# Altium PCB ai.PcbDoc (part 2 of 2)
Units mil, origin at the board's own origin, x right, y up, seen from the top; angles counter-clockwise.
Board outline 4965.93 x 2367.42 mil, 2 copper layers (Top Layer, Bottom Layer); 124 components, 111 nets, 499 pads, 173 vias.
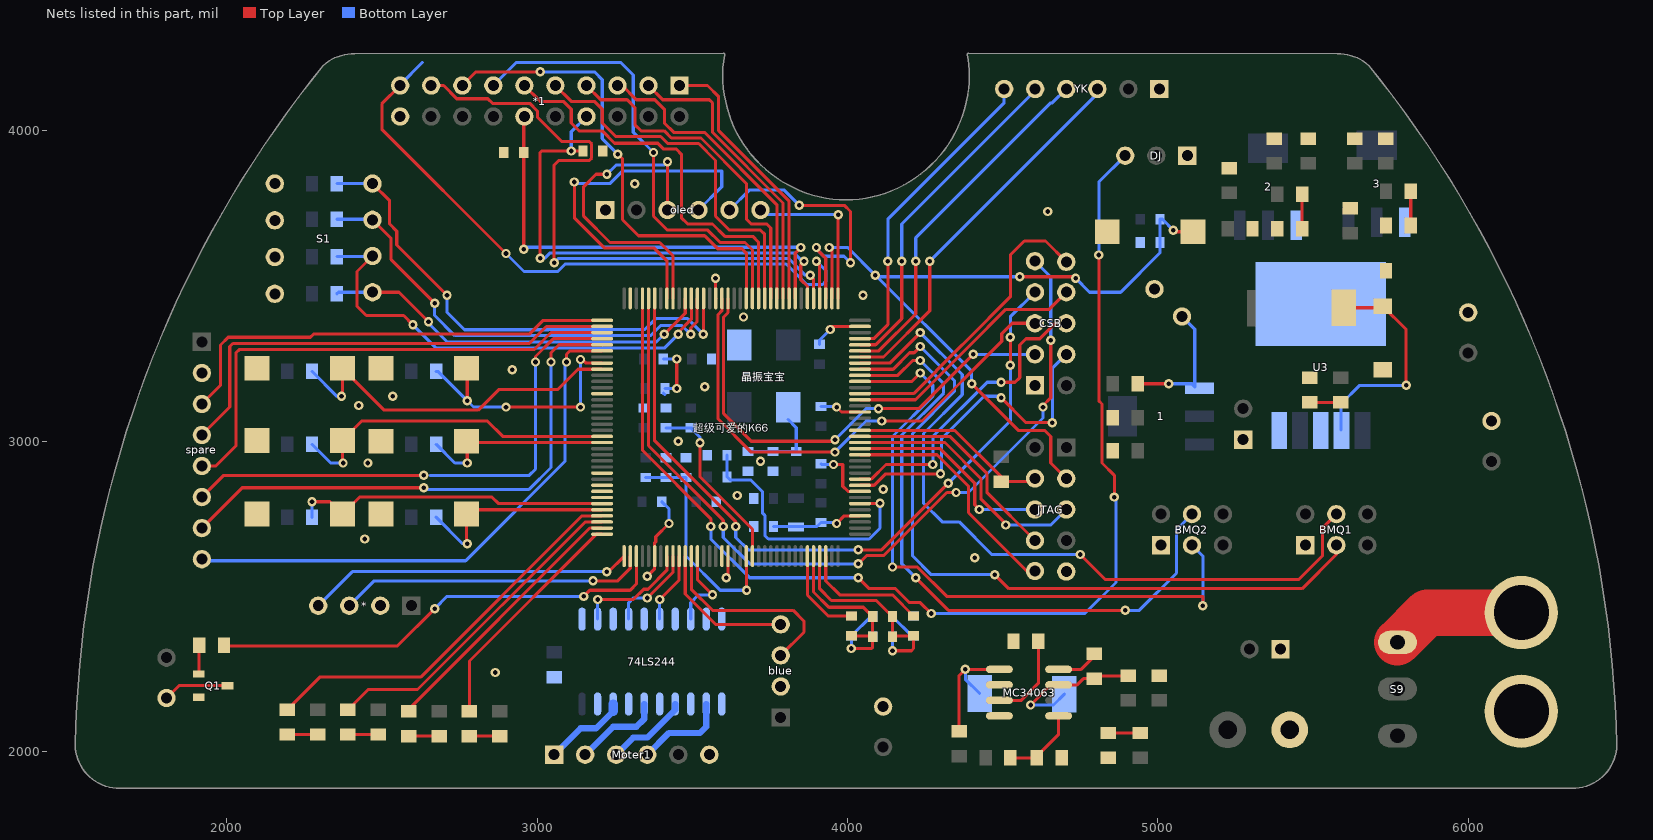
[diagram p2: the nets of this part, all layers, seen from the top]

## Via types
v1: diameter 30, hole 15, Top Layer to Bottom Layer, 166 vias
v2: diameter 125.98, hole 118.11, Top Layer to Bottom Layer, 7 vias

## Nets (pads, with @x,y where several pads share a name; then routed paths per layer and width w, separated by ;. In a path a pad name is that pad's centre, name@x,y a point inside that pad or via, vN(x,y) a via of type N, cw(c..) or ccw(c..) an arc to the next point about the centre after c; other vN are vias at no path point) (continued)
GND: 0.1IF.2 0.1UF.1@3055,2240 0.1UF.1@3402,2805 0.1UF.1@3415,2947 0.1UF.1@3415,3107 0.1UF.1@3548,2955 0.1UF.1@3577,2805 0.1UF.1@3760,2903 0.1UF.1@4855,2970 0.1UF.1@4943,3640 0.1UF.1@5305,3685 0.1UF.1@5620,3750 0.1UF.2@3345,3107 0.1UF.2@3407,3265 0.1UF.2@3412,3170 0.1UF.2@3910,3312 0.1UF.2@3915,2927 0.1UF.2@3915,3112 0.1UF.2@5375,3975 0.1UF.2@5635,3975 2.1 2.2UF.1 3.1 5V.1 7V2.1 10K.2@5385,3685 10K.2@5490,3205 10K.2@5735,3695 10UF.1@3680,2903 10UF.1@4855,3075 10UF.1@5230,3880 10UF.1@5485,3975 10UF.1@5735,3550 10UF.1@5735,3975 10UF.2@5005,2245 18PF.1 74LS244.1 74LS244.3 74LS244.5 74LS244.7 74LS244.9 74LS244.10 74LS244.11 74LS244.13 74LS244.15 74LS244.17 74LS244.19 100R.2 150R.1@2893,3930 150R.2@3212,3935 220UF.2 470PF.2 470UF.2 *1.11 *.2 blue.2 BMQ1.1 BMQ2.1 CSB.1 D8.2 DJ.1 JTAG.5 L3.1 LED.2@4840,1980 MC34063.2 MC34063.4 Moter1.6 Motor.2 oled.1 POWER.2 PTC11.1 PTC12.1 PTD1.1 PTD2.1 PTD10.1 PTD11.1 Q1.1 R33.1 RESET.1 S1.1 S1.2 S1.3 S1.4 spare.2 U3.3 U3.5 U3.6 YK.1 晶振宝宝.2 超级可爱的K66.6 超级可爱的K66.17 超级可爱的K66.18 超级可爱的K66.44 超级可爱的K66.57 超级可爱的K66.71 超级可爱的K66.93 超级可爱的K66.107 超级可爱的K66.121 超级可爱的K66.134 | length 1102.1
  Top Layer w10: v1(3355,2565) 3378.94,2588.94 超级可爱的K66.6@3378.94,2629.65 3378.94,2672.91 3382.25,2676.22 3382.25,2692.25 v1(3425,2735) ; v1(3450,3170) v1(3450,3265) ; v1(3575,3525) 3575,3461.14 超级可爱的K66.93@3575.79,3460.35 ; v1(3610,2560) 3615.16,2565.16 超级可爱的K66.18@3615.16,2629.65 ; v1@3940,3365 3945,3370 3945.2,3369.8 超级可爱的K66.71@4040.35,3369.8 ; v1(3955,2925) 3985,2925 3985,2855 4001.69,2838.31 超级可爱的K66.44@4040.35,2838.31 ; v1(3965,3110) 3980.79,3094.21 超级可爱的K66.57@4040.35,3094.21
  Bottom Layer w10: 0.1UF.1@3402,2805 3425,2782 v1(3425,2735) ; 0.1UF.2@3407,3155 3412,3150 ; 0.1UF.2@3407,3265 v1(3450,3265) ; 0.1UF.2@3412,3170 v1(3450,3170) ; 0.1UF.2@3910,3312 3910,3325 3940,3355 v1@3940,3365 ; 0.1UF.2@3915,2927 3917,2925 v1(3955,2925) ; 0.1UF.2@3915,3112 3963,3112 v1(3965,3110)
  other v1: 2865,2255 4410,2625 2445,2685 3645,2825 4115,2845 2455,2930 3720,2935 3455,3000 2425,3115 2535,3145 3540,3175 2920,3230 3945,3360 3665,3400 4050,3470 4645,3740 3315,3830
"MOTOR1 IN1": 74LS244.18 Moter1.1 | length 271.2
  Bottom Layer w20: Moter1.1@3055,1990 3140,2075 3190,2075 74LS244.18@3245,2130
  Bottom Layer w30: 74LS244.18@3245,2130 74LS244.18@3245,2153.19
"MOTOR1 IN2": 74LS244.16 Moter1.2 | length 285.8
  Bottom Layer w20: Moter1.2@3155,1990 3245,2080 3320,2080 3345,2105 74LS244.16@3345,2153.19
"MOTOR1 IN3": 74LS244.14 Moter1.3 | length 268.3
  Bottom Layer w20: Moter1.3@3255,1990 3310,2045 3355,2045 3445,2135 74LS244.14@3445,2153.19
"MOTOR1 IN4": 74LS244.12 Moter1.4 | length 300.5
  Bottom Layer w20: Moter1.4@3355,1990 3425,2060 3525,2060 3545,2080 74LS244.12@3545,2153.19
Net1_1: 1.1 120R.1 R33.2 | length 431.4
  Top Layer w10: 120R.1@4935,3185 v1(5035,3185)
  Bottom Layer w10: v1(5035,3185) 5109.57,3185 5119.02,3175.55 5119.02,3360.98 R33.2@5078,3402
Net*2_21: 0.1UF.2@3415,2883 0R.2@3350,2883 2.2UF.2 超级可爱的K66.21 | length 733.5
  Top Layer w10: 超级可爱的K66.21@3674.21,2629.65 3674.21,2564.21 3675,2563.42 v1(3675,2520)
  Bottom Layer w10: 0R.2@3350,2883 0.1UF.2@3415,2883 2.2UF.2@3480,2883 3480,2630 3590,2520 v1(3675,2520)
Net*2_22: 0.1UF.2@3415,3043 0R.2@3495,3043 超级可爱的K66.22 | length 575.7
  Top Layer w10: v1(3525,2995) 3525,2885 3693.9,2716.1 超级可爱的K66.22@3693.9,2629.65
  Bottom Layer w10: 0.1UF.2@3415,3043 0R.2@3495,3043 3525,3013 v1(3525,2995)
Net*2_31: 0R.2@4013,2437 超级可爱的K66.31 | length 295.4
  Top Layer w10: 超级可爱的K66.31@3871.06,2629.65 3871.06,2503.94 3938,2437 0R.2@4013,2437
Net*2_32: 0.01UF.2 0.1UF.2@4081,2370 0R.1@4013,2373 L2.2 超级可爱的K66.32 | length 778.6
  Top Layer w10: 超级可爱的K66.32@3890.75,2629.65 3890.75,2514.25 3940,2465 4051,2465 0.01UF.2@4081,2435 0.1UF.2@4081,2370 ; v1(4012,2332) 4078,2332 4081,2335 0.1UF.2@4081,2370 ; 0R.1@4013,2373 4078,2373 0.1UF.2@4081,2370
  Bottom Layer w10: v1(4012,2332) 4013,2332 L2.2@4013,2373 4075,2435 0.01UF.2@4081,2435 0.1UF.2@4081,2370
Net*2_33: 0.01UF.1 0.1UF.1@4145,2370 0R.1@4213,2373 L3.2 超级可爱的K66.33 | length 826.6
  Top Layer w10: 超级可爱的K66.33@3910.43,2629.65 3910.43,2524.57 3948,2487 4093,2487 0.01UF.1@4145,2435 0.1UF.1@4145,2370 4148,2373 0R.1@4213,2373 4213,2332 4206,2325 v1(4145,2325)
  Bottom Layer w10: v1(4145,2325) 0.1UF.1@4145,2370 0.01UF.1@4145,2435 4207,2373 L3.2@4213,2373
Net*2_34: 0R.2@4213,2437 超级可爱的K66.34 | length 409.4
  Top Layer w10: 超级可爱的K66.34@3930.12,2629.65 3930.12,2549.88 3975,2505 4145,2505 0R.2@4213,2437
Net*2_42: 0.1UF.2@3612,2955 0R.2@3612,2885 超级可爱的K66.42 | length 883.9
  Top Layer w10: 超级可爱的K66.42@4040.35,2798.94 4103.94,2798.94 v1(4105,2800)
  Bottom Layer w10: 0.1UF.2@3612,2955 0R.2@3612,2885 3622,2875 3688.88,2875 3726,2837.88 3726,2769 3734,2761 3734,2696 3745,2685 4070,2685 4105,2720 v1(4105,2800)
Net*3_4: 0.1UF.2@3760,2967 10UF.2@3680,2967 L1.2 晶振宝宝.4 | length 263.9
  Bottom Layer w10: 10UF.2@3685,2967 0.1UF.2@3760,2967 L1.2@3835,2967 3835,3043.74 晶振宝宝.4@3808.74,3070
Netbell1_2: bell1.2 Q1.3 | length 212.8
  Top Layer w10: bell1.2@1806.26,2172.6 1846.26,2212.6 Q1.3@2002.52,2212.6
NetC25_1: 470PF.1 MC34063.3 | length 283.3
  Top Layer w10: MC34063.3@4489.53,2165 4560,2165 4615,2220 470PF.1@4615,2355
NetCON1_1: POWER.1 S9.1 | length 438.8
  Top Layer w150: S9.1@5772,2352 5868,2448 POWER.1@6171,2448
NetD1_2: 10K.1@5815,3695 LED.2@5815,3805 | length 110
  Top Layer w10: 10K.1@5815,3695 LED.2@5815,3805
NetD2_2: 10K.1@2195,2055 PTD12.2 | length 97.9
  Top Layer w10: 10K.1@2195,2055 PTD12.2@2292.86,2055
NetD3_2: 10K.1@2390.71,2055 PTD13.2 | length 97.9
  Top Layer w10: 10K.1@2390.71,2055 PTD13.2@2488.57,2055
NetD4_2: 10K.1@2586.43,2050 PTD14.2 | length 97.9
  Top Layer w10: 10K.1@2586.43,2050 PTD14.2@2684.29,2050
NetD5_2: 10K.1@2782.14,2050 PTD15.2 | length 97.9
  Top Layer w10: 10K.1@2782.14,2050 PTD15.2@2880,2050
NetD6_1: D6.1 L4.2 MC34063.1 | length 414.9
  Top Layer w10: D6.1@4360,2065 4360,2245 v1(4380,2265) MC34063.1@4489.53,2265
  Bottom Layer w10: v1(4380,2265) 4380,2233 L4.2@4426,2187
NetD7_1: 10K.1@4944,2060 LED.1@4840,2060 | length 104
  Top Layer w10: LED.1@4840,2060 10K.1@4944,2060
NetD8_1: D8.1 L5.1 U3.2 | length 732.2
  Top Layer w10: L5.1@5599,3430 5720,3430 D8.1@5725,3435 5800,3360 v1(5800,3180)
  Bottom Layer w10: U3.2@5590,3036.77 5590,3120 5650,3180 v1(5800,3180)
NetD9_2: 10K.1@5465,3685 LED.2@5465,3795 | length 110
  Top Layer w10: 10K.1@5465,3685 LED.2@5465,3795
NetD10_2: 10K.1@5490,3125 LED.2@5590,3125 | length 100
  Top Layer w10: 10K.1@5490,3125 LED.2@5590,3125
NetL4_1: 0.1R.1 180R.2 L4.1 MC34063.7 | length 475
  Top Layer w10: v1(4590,2150) 4655,2215 MC34063.7@4680.47,2215 4740,2215 4760,2235 180R.2@4795,2235 4803,2243 0.1R.1@4903,2243
  Bottom Layer w10: v1(4590,2150) 4664,2150 L4.1@4699,2185
NetQ1_2: 1K.2@1911.26,2342.6 Q1.2 | length 93.1
  Top Layer w10: Q1.2@1910,2250 1911.26,2251.26 1K.2@1911.26,2342.6
NetR28_1: 180R.1 MC34063.8 | length 131.9
  Top Layer w10: MC34063.8@4680.47,2265 4753,2265 180R.1@4795,2307
NetR29_1: 1.3K.1 100R.1 MC34063.5 | length 254.3
  Top Layer w10: 1.3K.1@4517,1980 4605,1980 4680.47,2055.47 MC34063.5@4680.47,2115
PTA0: JTAG.6 超级可爱的K66.50 | length 768.5
  Top Layer w10: 超级可爱的K66.50@4040.35,2956.42 4288.58,2956.42 4390,2855 4390,2770 4578,2582 JTAG.6@4604,2582
PTA1: JTAG.8 超级可爱的K66.51 | length 685.9
  Top Layer w10: 超级可爱的K66.51@4040.35,2976.1 4298.9,2976.1 4410,2865 4410,2795 v1(4425,2780)
  Bottom Layer w10: v1(4425,2780) JTAG.8@4604,2780
PTA2: JTAG.3 超级可爱的K66.52 | length 836.5
  Top Layer w10: 超级可爱的K66.52@4040.35,2995.79 4314.21,2995.79 4430,2880 4430,2814.6 4510,2734.6 v1(4510,2730)
  Bottom Layer w10: v1(4510,2730) 4655,2730 JTAG.3@4705,2780
PTA3: JTAG.7 超级可爱的K66.53 | length 738.3
  Top Layer w10: 超级可爱的K66.53@4040.35,3015.47 4329.53,3015.47 4450,2895 4450,2834 JTAG.7@4604,2680
PTA4: 10K.1@4495,2870 JTAG.9 超级可爱的K66.54 | length 645
  Top Layer w10: 超级可爱的K66.54@4040.35,3035.16 4344.84,3035.16 4495,2885 10K.1@4495,2870 4594,2870 JTAG.9@4604,2880
PTA7: CSB.7 超级可爱的K66.59 | length 808.2
  Top Layer w10: 超级可爱的K66.59@4040.35,3133.58 4218.58,3133.58 4220.27,3135.27 4220.72,3135.27 4377,3291.54 4377,3291.6 4393.4,3308 4393.46,3308 4510.46,3425 4650,3425 CSB.7@4705,3480
PTA8: CSB.6 超级可爱的K66.60 | length 975.2
  Top Layer w10: 超级可爱的K66.60@4040.35,3153.27 4213.27,3153.27 4359,3299 4359,3299.05 4385.95,3326 4386,3326 4525,3465 4525,3600 4570,3645 4638,3645 CSB.6@4705,3578
PTA10: BMQ2.3 超级可爱的K66.62 | length 2177.1
  Top Layer w10: 超级可爱的K66.62@4040.35,3192.64 4207.64,3192.64 v1(4235,3220) ; v1@4145,2600 4150,2595 4225,2595 4320,2500 5145,2500 v1(5145,2470)
  Bottom Layer w10: v1@4145,2600 4145,3015.46 4274.77,3145.23 4274.77,3180.23 v1(4235,3220) ; BMQ2.3@5110,2665 5145,2630 v1(5145,2470)
  other v1: 4145,2595
PTA11: BMQ2.4 超级可爱的K66.63 | length 2181
  Top Layer w10: 超级可爱的K66.63@4040.35,3212.32 4162.32,3212.32 4210,3260 v1(4235,3260) ; v1(4220,2560) 4325,2455 v1(4895,2455)
  Bottom Layer w10: v1(4235,3260) 4310,3185 4310,3155 4175,3020 4175,2605 v1(4220,2560) ; v1(4895,2455) 4940,2455 5060,2575 5060,2715 BMQ2.4@5110,2765 ; v1(4220,2560) 4220,2555 4225,2555 v1(4220,2560)
PTA12: BMQ1.3 超级可爱的K66.64 | length 2485.4
  Top Layer w10: 超级可爱的K66.64@4040.35,3232.01 4147.01,3232.01 4200,3285 4215,3285 v1(4235,3305) ; v1(4475,2570) 4520,2525 5465,2525 5575,2635 BMQ1.3@5575,2665
  Bottom Layer w10: v1(4235,3305) 4345,3195 4345,3160 4210,3025 4210,2630 4270,2570 v1(4475,2570)
PTA13: BMQ1.4 超级可爱的K66.65 | length 2464.2
  Top Layer w10: 超级可爱的K66.65@4040.35,3251.69 4136.69,3251.69 v1(4235,3350) ; v1(4750,2635) 4830,2555 5455,2555 5530,2630 5530,2720 BMQ1.4@5575,2765
  Bottom Layer w10: v1(4235,3350) 4370,3215 4370,3150 4245,3025 4245,2800 4305,2740 4360,2740 4465,2635 v1(4750,2635)
PTA14: YK.3 超级可爱的K66.66 | length 1224.9
  Top Layer w10: 超级可爱的K66.66@4040.35,3271.38 4116.38,3271.38 4265,3420 v1(4265,3580)
  Bottom Layer w10: v1(4265,3580) 4805,4120 YK.3@4805,4135
PTA15: YK.4 超级可爱的K66.67 | length 1157.7
  Top Layer w10: 超级可爱的K66.67@4040.35,3291.06 4101.06,3291.06 4220,3410 v1(4220,3580)
  Bottom Layer w10: v1(4220,3580) 4220,3655 4655,4090 4660,4090 YK.4@4705,4135
PTA16: YK.5 超级可爱的K66.68 | length 1087.7
  Top Layer w10: 超级可爱的K66.68@4040.35,3310.75 4090.75,3310.75 4175,3395 v1(4175,3580)
  Bottom Layer w10: v1(4175,3580) 4175,3700 4605,4130 YK.5@4605,4135
PTA17: YK.6 超级可爱的K66.69 | length 1023.2
  Top Layer w10: 超级可爱的K66.69@4040.35,3330.43 4084.98,3330.43 4130,3375.46 v1(4130,3580)
  Bottom Layer w10: v1(4130,3580) 4130,3715 4505,4090 YK.6@4505,4135
PTA19: oled.6 超级可爱的K66.73 | length 541.1
  Top Layer w10: oled.6@3720,3745 oled.6@3735,3730 ; 超级可爱的K66.73@3969.49,3460.35 3970,3460.87 v1(3970,3730)
  Bottom Layer w10: oled.6@3720,3730 v1(3970,3730)
PTA24: oled.5 超级可爱的K66.75 | length 911.7
  Top Layer w10: v1(3845,3760) 3990,3760 4010,3740 v1(4010,3575) ; v1@3900,3620 3930.12,3589.88 超级可爱的K66.75@3930.12,3460.35
  Bottom Layer w10: oled.5@3620,3745 3685,3810 3795,3810 v1(3845,3760) ; v1@3900,3620 3924,3596 3989,3596 v1(4010,3575)
  other v1: 3900,3624
PTA25: *1.10 超级可爱的K66.76 | length 2131.4
  Top Layer w10: *1.10@2559,4146 2500,4087 2500,4005 v1(2900,3605) ; v1(3900,3580) 3910,3570 3910,3550 3910.43,3549.57 超级可爱的K66.76@3910.43,3460.35
  Bottom Layer w10: *1.10@2559,4146 2559,4149 2630,4220 ; v1(2900,3605) 2958,3547 3066.6,3547 3090.6,3571 3802.54,3571 3868.54,3505 3920,3505 3930,3515 3930,3550 v1(3900,3580)
PTA26: *1.9 超级可爱的K66.77 | length 2030
  Top Layer w10: *1.9@2659,4146 2698.86,4146 2741.38,4103.47 2841.53,4103.47 2856.47,4088.53 2976.62,4088.53 3001.53,4063.62 3001.53,4043.33 3079.36,3965.5 3168.38,3965.5 3176,3957.88 3176,3912.12 3168.38,3904.5 3069.5,3904.5 3055,3890 v1(3055,3575) ; v1(3880,3535) 3890.75,3524.25 超级可爱的K66.77@3890.75,3460.35
  Bottom Layer w10: v1(3055,3575) 3056,3575 3070,3589 3810,3589 3864,3535 v1(3880,3535)
PTA27: 150R.1@3148,3935 *1.17 超级可爱的K66.78 | length 1612.4
  Top Layer w10: v1(3010,3590) 3010,3930 3015,3935 v1(3110,3935) 150R.1@3148,3935 ; v1(3860,3580) 3849.69,3569.69 3849.69,3520.31 3871.06,3498.94 超级可爱的K66.78@3871.06,3460.35
  Bottom Layer w10: v1(3010,3590) 3025,3590 3042,3607 3827.4,3607 3854.4,3580 v1(3860,3580) ; v1(3110,3935) 3110,3997 *1.17@3159,4046
PTA29: 150R.2@2957,3930 *1.15 超级可爱的K66.80 | length 1501.4
  Top Layer w10: v1(2957,3618) 150R.2@2957,3930 ; *1.15@2959,4046 2957,4044 150R.2@2957,3930 ; 150R.2@2960,3927 150R.2@2957,3930 ; 超级可爱的K66.80@3831.69,3460.35 3831.69,3605.69 v1(3850,3624) ; v1@3849.51,3624.38 v1@3850,3625
  Bottom Layer w10: v1(2957,3618) 2964,3625 3849,3625 v1(3850,3624)
PTB0: *1.1 超级可爱的K66.81 | length 884.6
  Top Layer w10: *1.1@3459,4146 3549,4146 3585,4110 3585,4000.46 3810.32,3775.13 3810.32,3774.68 3812.01,3772.99 超级可爱的K66.81@3812.01,3460.35
PTB1: *1.2 超级可爱的K66.82 | length 953
  Top Layer w10: *1.2@3359,4146 3405,4100 3555,4100 3565,4090 3565,3995 3792.32,3767.68 超级可爱的K66.82@3792.32,3460.35
PTB2: *1.3 超级可爱的K66.83 | length 1000.4
  Top Layer w10: *1.3@3259,4146 3274,4146 3320,4100 3379.54,4100 3410,4069.54 3410,4025 3440,3995 3539.54,3995 3772.64,3761.91 超级可爱的K66.83@3772.64,3460.35
PTB3: *1.4 超级可爱的K66.84 | length 1110.3
  Top Layer w10: *1.4@3159,4146 3205,4100 3290,4100 3315,4075 3315,4020 3335,4000 3409.54,4000 3432.54,3977 3528,3977 3675,3830 3675,3715 3690,3700 3740,3700 3752.95,3687.05 超级可爱的K66.84@3752.95,3460.35
PTB4: *1.5 超级可爱的K66.85 | length 1210.4
  Top Layer w10: *1.5@3059,4146 3110,4095 3184.54,4095 3210,4069.54 3210,4025 3253,3982 3398,3982 3421,3959 3520.54,3959 3575,3904.54 3575,3725 3620,3680 3720,3680 3733.27,3666.73 超级可爱的K66.85@3733.27,3460.35
PTB5: *1.6 超级可爱的K66.86 | length 1290.8
  Top Layer w10: *1.6@2959,4146 3010,4095 3084.54,4095 3110,4069.54 3110,4025 3135.23,3999.77 3209.77,3999.77 3249.54,3960 3389,3960 3408,3941 3449,3941 3465,3925 3465,3720 3485,3700 3565,3700 3605,3660 3695,3660 3713.58,3641.42 超级可爱的K66.86@3713.58,3460.35
PTB6: *1.7 超级可爱的K66.87 | length 1499.9
  Top Layer w10: v1(3375,3930) 3375,3725 3420,3680 3550,3680 3590,3640 3670,3640 3693.9,3616.1 超级可爱的K66.87@3693.9,3460.35
  Bottom Layer w10: *1.7@2859,4146 2933,4220 3270,4220 3310,4180 3310,3995 v1(3375,3930)
PTB7: *1.8 超级可爱的K66.88 | length 1547
  Top Layer w10: *1.8@2759,4146 2803,4190 v1(3010,4190) ; v1(3260,3925) 3275,3910 3275,3714 3327,3662 3540,3662 3582,3620 3660,3620 3674.21,3605.79 超级可爱的K66.88@3674.21,3460.35
  Bottom Layer w10: v1(3010,4190) 3185,4190 3210,4165 3210,3975 v1(3260,3925)
PTB10: CSB.2 超级可爱的K66.91 | length 1533.1
  Top Layer w10: 超级可爱的K66.91@3615.16,3460.35 3615.16,3414.16 3601,3400 3601,3089 3690,3000 3955,3000 v1(3960,3005) ; v1(4100,3105) 4230,3105 v1(4405,3280)
  Bottom Layer w10: v1(3960,3005) 4060,3105 v1(4100,3105) ; v1(4405,3280) CSB.2@4604,3280
PTB11: CSB.3 超级可爱的K66.92 | length 1647.2
  Top Layer w10: 超级可爱的K66.92@3595.47,3460.35 3595.47,3420.47 3583,3408 3583,3072 3690,2965 v1@3955,2965 ; v1(4110,3065) 4240,3065 4497,3322 4497,3346.6 4530.4,3380 CSB.3@4604,3380
  Bottom Layer w10: v1(3960,2965) v1@3962.5,2967.5 ; v1@3960,2970 v1@3962.5,2967.5 ; v1@3965,2965 v1@3962.5,2967.5 ; v1(4110,3065) 4060,3065 v1@3962.5,2967.5
PTB16: 1K.1@2355,3830 S1.8 超级可爱的K66.95 | length 1629.2
  Top Layer w10: S1.8@2470,3830 2525,3775 2525,3700 2548,3677 2548,3632 v1(2710,3470) ; v1(3535,3345) 3536.42,3346.42 超级可爱的K66.95@3536.42,3460.35
  Bottom Layer w10: 1K.1@2355,3830 S1.8@2470,3830 ; v1(2710,3470) 2710,3415 2765.99,3359.01 3036.01,3359.01 3037,3360 3347,3360 3382,3395 3485,3395 v1(3535,3345)
PTB17: 1K.1@2355,3715 S1.7 超级可爱的K66.96 | length 1508.4
  Top Layer w10: S1.7@2470,3713.33 2530,3653.33 2530,3585 v1(2670,3445) ; v1(3495,3345) 3495,3365 3515.56,3385.56 3515.56,3459.18 超级可爱的K66.96@3516.73,3460.35
  Bottom Layer w10: 1K.1@2355,3715 2468.33,3715 S1.7@2470,3713.33 ; v1(2670,3445) 2670,3405 2735,3340 3365.4,3340 3398.4,3373 3466.6,3373 3494.6,3345 v1(3495,3345)
PTB18: 1K.1@2355,3595 S1.6 超级可爱的K66.97 | length 1540.4
  Top Layer w10: S1.6@2470,3596.67 2420,3546.67 2420,3435 2450,3405 2570,3405 v1(2600,3375) ; v1(3455,3345) 3455,3350.46 3497.05,3392.5 超级可爱的K66.97@3497.05,3460.35
  Bottom Layer w10: 1K.1@2355,3595 2468.33,3595 S1.6@2470,3596.67 ; v1(2600,3375) 2675,3300 3410,3300 v1(3455,3345)
PTB19: 1K.2@2355,3475 S1.5 超级可爱的K66.98 | length 1279.9
  Top Layer w10: S1.5@2470,3480 2555,3480 v1(2650,3385) ; v1(3410,3345) 3477.36,3412.36 超级可爱的K66.98@3477.36,3460.35
  Bottom Layer w10: 1K.2@2355,3475 2360,3480 S1.5@2470,3480 ; v1(2650,3385) 2650,3380 2710,3320 3385,3320 v1(3410,3345)
PTB21: oled.3 超级可爱的K66.100 | length 1030.8
  Top Layer w10: v1(3225,3860) 3190,3860 3150,3820 3150,3725 3235,3640 3395,3640 3437.99,3597.01 超级可爱的K66.100@3437.99,3460.35 ; oled.3@3420,3745 v1(3420,3900)
  Bottom Layer w10: v1(3225,3860) 3255,3890 3410,3890 v1(3420,3900)
PTB22: oled.4 超级可爱的K66.101 | length 1241.6
  Top Layer w10: v1(3120,3835) 3120,3720 3218,3622 3378,3622 3418.31,3581.69 超级可爱的K66.101@3418.31,3460.35
  Bottom Layer w10: v1(3120,3835) 3125,3830 3234.6,3830 3274.6,3870 3595,3870 3595,3820 oled.4@3520,3745
PTC0: CSB.4 超级可爱的K66.103 | length 2416.8
  Top Layer w10: 超级可爱的K66.103@3378.94,3460.35 3378.94,3001.06 3640,2740 v1(3640,2725) ; v1(4035,2650) 4110,2650 v1(4325,2865) 4330,2870 v1@4330,2865 ; v1(4525,3245) v1(4525,3335)
  Bottom Layer w10: v1(3640,2725) 3640,2690 3680,2650 v1(4035,2650) v1@4040,2650 ; v1(4325,2865) 4525,3065 v1(4525,3245) ; v1(4525,3335) 4525,3401 CSB.4@4604,3480
PTC1: CSB.5 超级可爱的K66.104 | length 2666.4
  Top Layer w10: 超级可爱的K66.104@3359.25,3460.35 3359.25,2985.75 3600,2745 v1(3600,2725) ; v1(4035,2605) 4062,2632 4117.46,2632 4320.46,2835 v1(4350,2835) ; v1(4630,3110) 4630,3115 4655,3140 v1(4655,3325)
  Bottom Layer w10: v1(3600,2725) 3600,2690 3685,2605 v1(4035,2605) ; v1(4350,2835) 4390,2835 4630,3075 v1(4630,3110) ; CSB.5@4604,3580 4655,3529 v1(4655,3325)
PTC2: DJ.3 超级可爱的K66.105 | length 3745.5
  Top Layer w10: 超级可爱的K66.105@3339.57,3460.35 3339.57,2970.43 3560,2750 v1(3560,2725) ; v1(4035,2560) 4070,2525 4155,2525 4200,2480 4235,2480 v1(4270,2445) ; v1(4810,3600) 4810,3130 4820,3120 4820,2930 4860,2890 v1(4860,2820)
  Bottom Layer w10: v1(3560,2725) 3560,2685 3685,2560 v1(4035,2560) ; v1(4270,2445) 4765,2445 4865,2545 4865,2815 v1(4860,2820) ; v1(4810,3600) 4810,3835 DJ.3@4895,3920
PTC4: spare.3 超级可爱的K66.109 | length 1477.4
  Top Layer w10: spare.3@1920,3120 1980,3180 1980,3310 2005,3335 2269.6,3335 2279.6,3345 2975,3345 3019.49,3389.49 超级可爱的K66.109@3209.65,3389.49
PTC5: spare.4 超级可爱的K66.110 | length 1548.8
  Top Layer w10: spare.4@1920,3020 2010,3110 2010,3305 2020,3315 2975,3315 3029.8,3369.8 超级可爱的K66.110@3209.65,3369.8
PTC6: spare.5 超级可爱的K66.111 | length 1643.5
  Top Layer w10: spare.5@1920,2920 1965,2920 2030,2985 2030,3285 2040,3295 2990,3295 3045.12,3350.12 超级可爱的K66.111@3209.65,3350.12
PTC7: spare.6 超级可爱的K66.112 | length 1693.7
  Top Layer w10: spare.6@1920,2820 1990,2890 v1(2635,2890) ; v1(2995,3255) 2995,3273 3052.43,3330.43 超级可爱的K66.112@3209.65,3330.43
  Bottom Layer w10: 2655,2890 2975,2890 2995,2910 v1(2995,3255)
PTC8: spare.7 超级可爱的K66.113 | length 1755
  Top Layer w10: spare.7@1920,2720 2050,2850 v1(2635,2850) ; v1(3045,3255) 3045,3285 3070.75,3310.75 超级可爱的K66.113@3209.65,3310.75
  Bottom Layer w10: v1(2635,2850) 2640,2845 2974.54,2845 3045,2915.46 v1(3045,3255)
PTC9: spare.8 超级可爱的K66.114 | length 1770.9
  Top Layer w10: v1(3095,3255) 3095,3280 3106.06,3291.06 超级可爱的K66.114@3209.65,3291.06
  Bottom Layer w10: spare.8@1920,2620 1925,2615 2770,2615 3090,2935 3090,3250 v1(3095,3255)
PTC11: 1K.1@2675,3225 PTC11.2 超级可爱的K66.116 | length 872.3
  Top Layer w10: v1(2775,3130) 2775,3232.8 PTC11.2@2772.8,3235 PTC11.2@2789.49,3251.69 ; v1(2900,3110) v1(3140,3110) ; v1(3140,3263.06) 3140,3265 3145,3265 3158.31,3251.69 超级可爱的K66.116@3209.65,3251.69
  Bottom Layer w10: 1K.1@2675,3225 2680,3225 v1(2775,3130) 2795,3110 v1(2900,3110) ; v1(3140,3110) v1(3140,3263.06)
PTC12: 1K.1@2275,3225 PTC12.2 超级可爱的K66.117 | length 1166.7
  Top Layer w10: v1(2370,3145) 2372.8,3147.8 PTC12.2@2372.8,3235 2507.8,3100 2810,3100 2876,3166 3066,3166 3132.01,3232.01 超级可爱的K66.117@3209.65,3232.01
  Bottom Layer w10: 1K.1@2275,3225 2355,3145 v1(2370,3145)
PTD1: 1K.1@2275,2990 PTD1.2 超级可爱的K66.128 | length 1081.5
  Top Layer w10: v1(2375,2930) 2372.8,2932.2 PTD1.2@2372.8,3002.5 2435.3,3065 2840,3065 2889.53,3015.47 超级可爱的K66.128@3209.65,3015.47
  Bottom Layer w10: 1K.1@2275,2990 2335,2930 v1(2375,2930)
PTD2: 1K.1@2675,2990 PTD2.2 超级可爱的K66.129 | length 631.2
  Top Layer w10: PTD2.2@2772.8,3000 PTD2.2@2775,2997.8 ; v1(2775,2930) PTD2.2@2775,2997.8 ; 超级可爱的K66.129@3209.65,2995.79 2777.01,2995.79 PTD2.2@2775,2997.8
  Bottom Layer w10: 1K.1@2675,2990 2735,2930 v1(2775,2930)
PTD7: 超级可爱的K66.136
PTD8: 超级可爱的K66.137
PTD9: 超级可爱的K66.138
PTD10: 1K.1@2275,2755 PTD10.2 超级可爱的K66.139 | length 1032.7
  Top Layer w10: v1(2275,2805) 2332.8,2805 PTD10.2@2372.8,2765 2427.8,2820 2855,2820 2876.06,2798.94 超级可爱的K66.139@3209.65,2798.94
  Bottom Layer w10: 1K.1@2275,2755 v1(2275,2805)
PTD11: 1K.1@2675,2755 PTD11.2 超级可爱的K66.140 | length 673.9
  Top Layer w10: v1(2775,2670) 2772.8,2672.2 PTD11.2@2772.8,2765 2787.05,2779.25 超级可爱的K66.140@3209.65,2779.25
  Bottom Layer w10: 1K.1@2675,2755 2760,2670 v1(2775,2670)
PTD12: 10K.2@2195,2135 超级可爱的K66.141 | length 1273.4
  Top Layer w10: 10K.2@2195,2135 2300,2240 2625,2240 3144.57,2759.57 超级可爱的K66.141@3209.65,2759.57
PTD13: 10K.2@2390.71,2135 超级可爱的K66.142 | length 1069.5
  Top Layer w10: 10K.2@2390.71,2135 2455.71,2200 2615,2200 3154.88,2739.88 超级可爱的K66.142@3209.65,2739.88
PTD14: 10K.2@2586.43,2130 超级可爱的K66.143 | length 871.5
  Top Layer w10: 10K.2@2586.43,2130 2586.43,2136.43 3170.2,2720.2 超级可爱的K66.143@3209.65,2720.2
PTD15: 10K.2@2782.14,2130 超级可爱的K66.144 | length 758.8
  Top Layer w10: 10K.2@2782.14,2130 2782.14,2292.14 3190.51,2700.51 超级可爱的K66.144@3209.65,2700.51
PTE0: *.4 超级可爱的K66.1 | length 1052.4
  Top Layer w10: v1(3224.13,2579.13) 3230,2579.13 超级可爱的K66.1@3280.51,2629.65
  Bottom Layer w10: *.4@2295,2470 2405,2580 3223.27,2580 v1(3224.13,2579.13)
PTE1: *.3 超级可爱的K66.2 | length 994.4
  Top Layer w10: v1(3180,2550) 3260,2550 3300.2,2590.2 超级可爱的K66.2@3300.2,2629.65
  Bottom Layer w10: *.3@2395,2470 2475,2550 v1(3180,2550)
PTE2: 1K.1@1991.26,2342.6 超级可爱的K66.3 | length 1502.3
  Top Layer w10: 1K.1@1991.26,2342.6 1993.86,2340 2550,2340 v1(2670,2460) ; v1(3150,2500) 3170,2520 3300,2520 3319.88,2539.88 超级可爱的K66.3@3319.88,2629.65
  Bottom Layer w10: v1(2670,2460) 2710,2500 v1(3150,2500)
PTE5: 74LS244.2 超级可爱的K66.8 | length 371.2
  Top Layer w10: v1(3195,2490) 3310.4,2490 3343.4,2523 3357.54,2523 3418.31,2583.76 超级可爱的K66.8@3418.31,2629.65
  Bottom Layer w10: 74LS244.2@3195,2426.81 v1(3195,2490)
PTE6: 74LS244.4 超级可爱的K66.9 | length 288.4
  Top Layer w10: v1(3355,2495) 3437.99,2577.99 超级可爱的K66.9@3437.99,2629.65
  Bottom Layer w10: 74LS244.4@3295,2426.81 3295,2480 3310,2495 v1(3355,2495)
PTE7: 74LS244.6 超级可爱的K66.10 | length 228.8
  Top Layer w10: v1(3395,2490) 3457.68,2552.68 超级可爱的K66.10@3457.68,2629.65
  Bottom Layer w10: 74LS244.6@3395,2426.81 v1(3395,2490)
PTE8: blue.4 超级可爱的K66.11 | length 470.1
  Top Layer w10: 超级可爱的K66.11@3477.36,2629.65 3477.36,2507.64 3575,2410 blue.4@3785,2410
PTE9: blue.3 超级可爱的K66.12 | length 653.4
  Top Layer w10: 超级可爱的K66.12@3497.05,2629.65 3497.05,2522.95 3565,2455 3825,2455 3860,2420 3860,2385 blue.3@3785,2310
PTE10: 74LS244.8 超级可爱的K66.13 | length 278.2
  Top Layer w10: 超级可爱的K66.13@3516.73,2629.65 3516.73,2553.27 v1(3565,2505)
  Bottom Layer w10: 74LS244.8@3495,2426.81 3495,2480 3520,2505 v1(3565,2505)
PTE24: CSB.9 超级可爱的K66.45 | length 1079.7
  Top Layer w10: 超级可爱的K66.45@4040.35,2857.99 4085.99,2857.99 4123,2895 v1(4300,2895) ; v1(4495,3140) 4575,3060 v1(4660,3060)
  Bottom Layer w10: v1(4300,2895) 4303,2898 4303,3008 4440,3145 4495,3145 v1(4495,3140) ; v1(4660,3060) 4660,3235 CSB.9@4705,3280
PTE25: CSB.8 超级可爱的K66.46 | length 986.9
  Top Layer w10: 超级可爱的K66.46@4040.35,2877.68 4041.53,2878.85 4077.94,2878.85 4124.09,2925 v1(4275,2925) ; v1(4495,3190) 4540,3190 4555,3205 4555,3310 4575,3330 4620,3330 4670,3380 CSB.8@4705,3380
  Bottom Layer w10: v1(4275,2925) 4275,3015 4450,3190 v1(4495,3190)
RESET: 0.1UF.2@5007,3640 10K.2@5007,3715 JTAG.2 RESET.2 超级可爱的K66.74 | length 2534.2
  Top Layer w10: v1(3941.49,3624) 3944,3624 3945,3625 3950,3625 3949.8,3624.8 超级可爱的K66.74@3949.8,3460.35 ; v1(4400,3185) 4550,3035 4635,3035 4655,3015 4655,2930 JTAG.2@4705,2880 ; v1(4555,3530) 4730,3530 v1(4735,3525) ; v1(5050,3680) 5055,3675 RESET.2@5112.8,3675
  Bottom Layer w10: v1(3941.49,3624) 4001,3624 v1(4090,3535) v1@4095,3530 ; v1(4400,3185) 4400,3225 v1@4095,3530 ; v1(4555,3530) v1@4095,3530 ; v1(4735,3525) 4780,3480 4880,3480 5007,3607 0.1UF.2@5007,3640 10K.2@5007,3715 5015,3715 v1(5050,3680)
XTAL32: 1M.2 18PF.2@3762,2725 32.768.1 超级可爱的K66.40 | length 295.2
  Top Layer w10: v1(3965,2735) 3989.57,2759.57 超级可爱的K66.40@4040.35,2759.57
  Bottom Layer w10: 18PF.2@3762,2725 3902,2725 1M.2@3915,2738 3962,2738 v1(3965,2735)
pads on no net: *1.12 *1.13 *1.14 *1.16 *1.18 *1.19 BMQ1.5 BMQ1.6 BMQ2.5 BMQ2.6 JTAG.1 JTAG.4 S9. 晶振宝宝.1 超级可爱的K66.4 超级可爱的K66.7 超级可爱的K66.14 超级可爱的K66.15 超级可爱的K66.19 超级可爱的K66.20 超级可爱的K66.23 超级可爱的K66.24 超级可爱的K66.25 超级可爱的K66.26 超级可爱的K66.27 超级可爱的K66.28 超级可爱的K66.29 超级可爱的K66.30 超级可爱的K66.35 超级可爱的K66.36 超级可爱的K66.37 超级可爱的K66.38 超级可爱的K66.39 超级可爱的K66.47 超级可爱的K66.48 超级可爱的K66.49 超级可爱的K66.55 超级可爱的K66.58 超级可爱的K66.61 超级可爱的K66.79 超级可爱的K66.89 超级可爱的K66.90 超级可爱的K66.99 超级可爱的K66.102 超级可爱的K66.106 超级可爱的K66.115 超级可爱的K66.118 超级可爱的K66.119 超级可爱的K66.120 超级可爱的K66.123 超级可爱的K66.124 超级可爱的K66.125 超级可爱的K66.126 超级可爱的K66.127 超级可爱的K66.130 超级可爱的K66.131 超级可爱的K66.132 超级可爱的K66.133
copper on no net:
  other v1: 2635,2700
  other v2: 1735,2650 4295,2660 2945,2675 6140,2760 2950,3435 2360,4075 5535,4075

## Keep-outs
Keep-Out Layer:
  lines w5: 1644.64,1885.02 3995.32,1885 6346,1885.02 ; 1660.01,1885.02 cw(c1652.53,2022.48) 1514.86,2021.93 cw(c5087.59,1956.99) 2313.05,4208.77 ; 2312.82,4208.56 cw(c2407.18,4106.03) 2412.46,4245.27 ; 2401.55,4245.26 3601.62,4246.72 3601.62,4247.21 ; 3605,4255 ccw(c4003.34,4186.68) 3998.7,3782.56 ; 3991.3,3782.56 ccw(c3986.66,4186.68) 4385,4255 ; 4389.02,4247.21 4389.02,4246.72 5589.08,4245.26 ; 5578.18,4245.27 cw(c5583.46,4106.03) 5677.81,4208.56 ; 5677.59,4208.77 cw(c2903.04,1956.99) 6475.77,2021.93 cw(c6338.1,2022.48) 6330.62,1885.02

## Other copper
Top Layer:
  text "hebut" at 5240,4193.12 h60
  text "2018" at 5239.94,4117.19 h60
  text "Beacon队" at 5235,4050 h60
  text "田建松" at 1975,2070 h50
  text "孙德桓" at 1974.95,1995.93 h50
  text "王浩远" at 1975,1920 h50

## Silkscreen, mask and mechanical layers (free items; w line width, h text height)
Top Overlay:
  text "VCC" at 3730,1995 h60

## Text inside footprints (layer, text, board x,y; h text height)
220UF: Top Overlay "+" at 6220,2895 h30 r90
470UF: Top Overlay "+" at 6165,3215 h30 r90
470UF: Top Overlay "+" at 4130,1935 h30 r90
*1: Top Overlay "1" at 3554,4136 h30
bell1: Bottom Overlay "+" at 1671.26,2432.6 h59.06 r90
BMQ1: Top Overlay "1" at 5405,2645 h30; Top Overlay "2" at 5395,2745 h30; Top Overlay "5" at 5735,2645 h30; Top Overlay "6" at 5735,2745 h30
BMQ2: Top Overlay "1" at 4940,2645 h30; Top Overlay "2" at 4930,2745 h30; Top Overlay "5" at 5270,2645 h30; Top Overlay "6" at 5270,2745 h30